# Altium PCB InsaneKeyboard.PcbDoc (part 3 of 4) (continued)
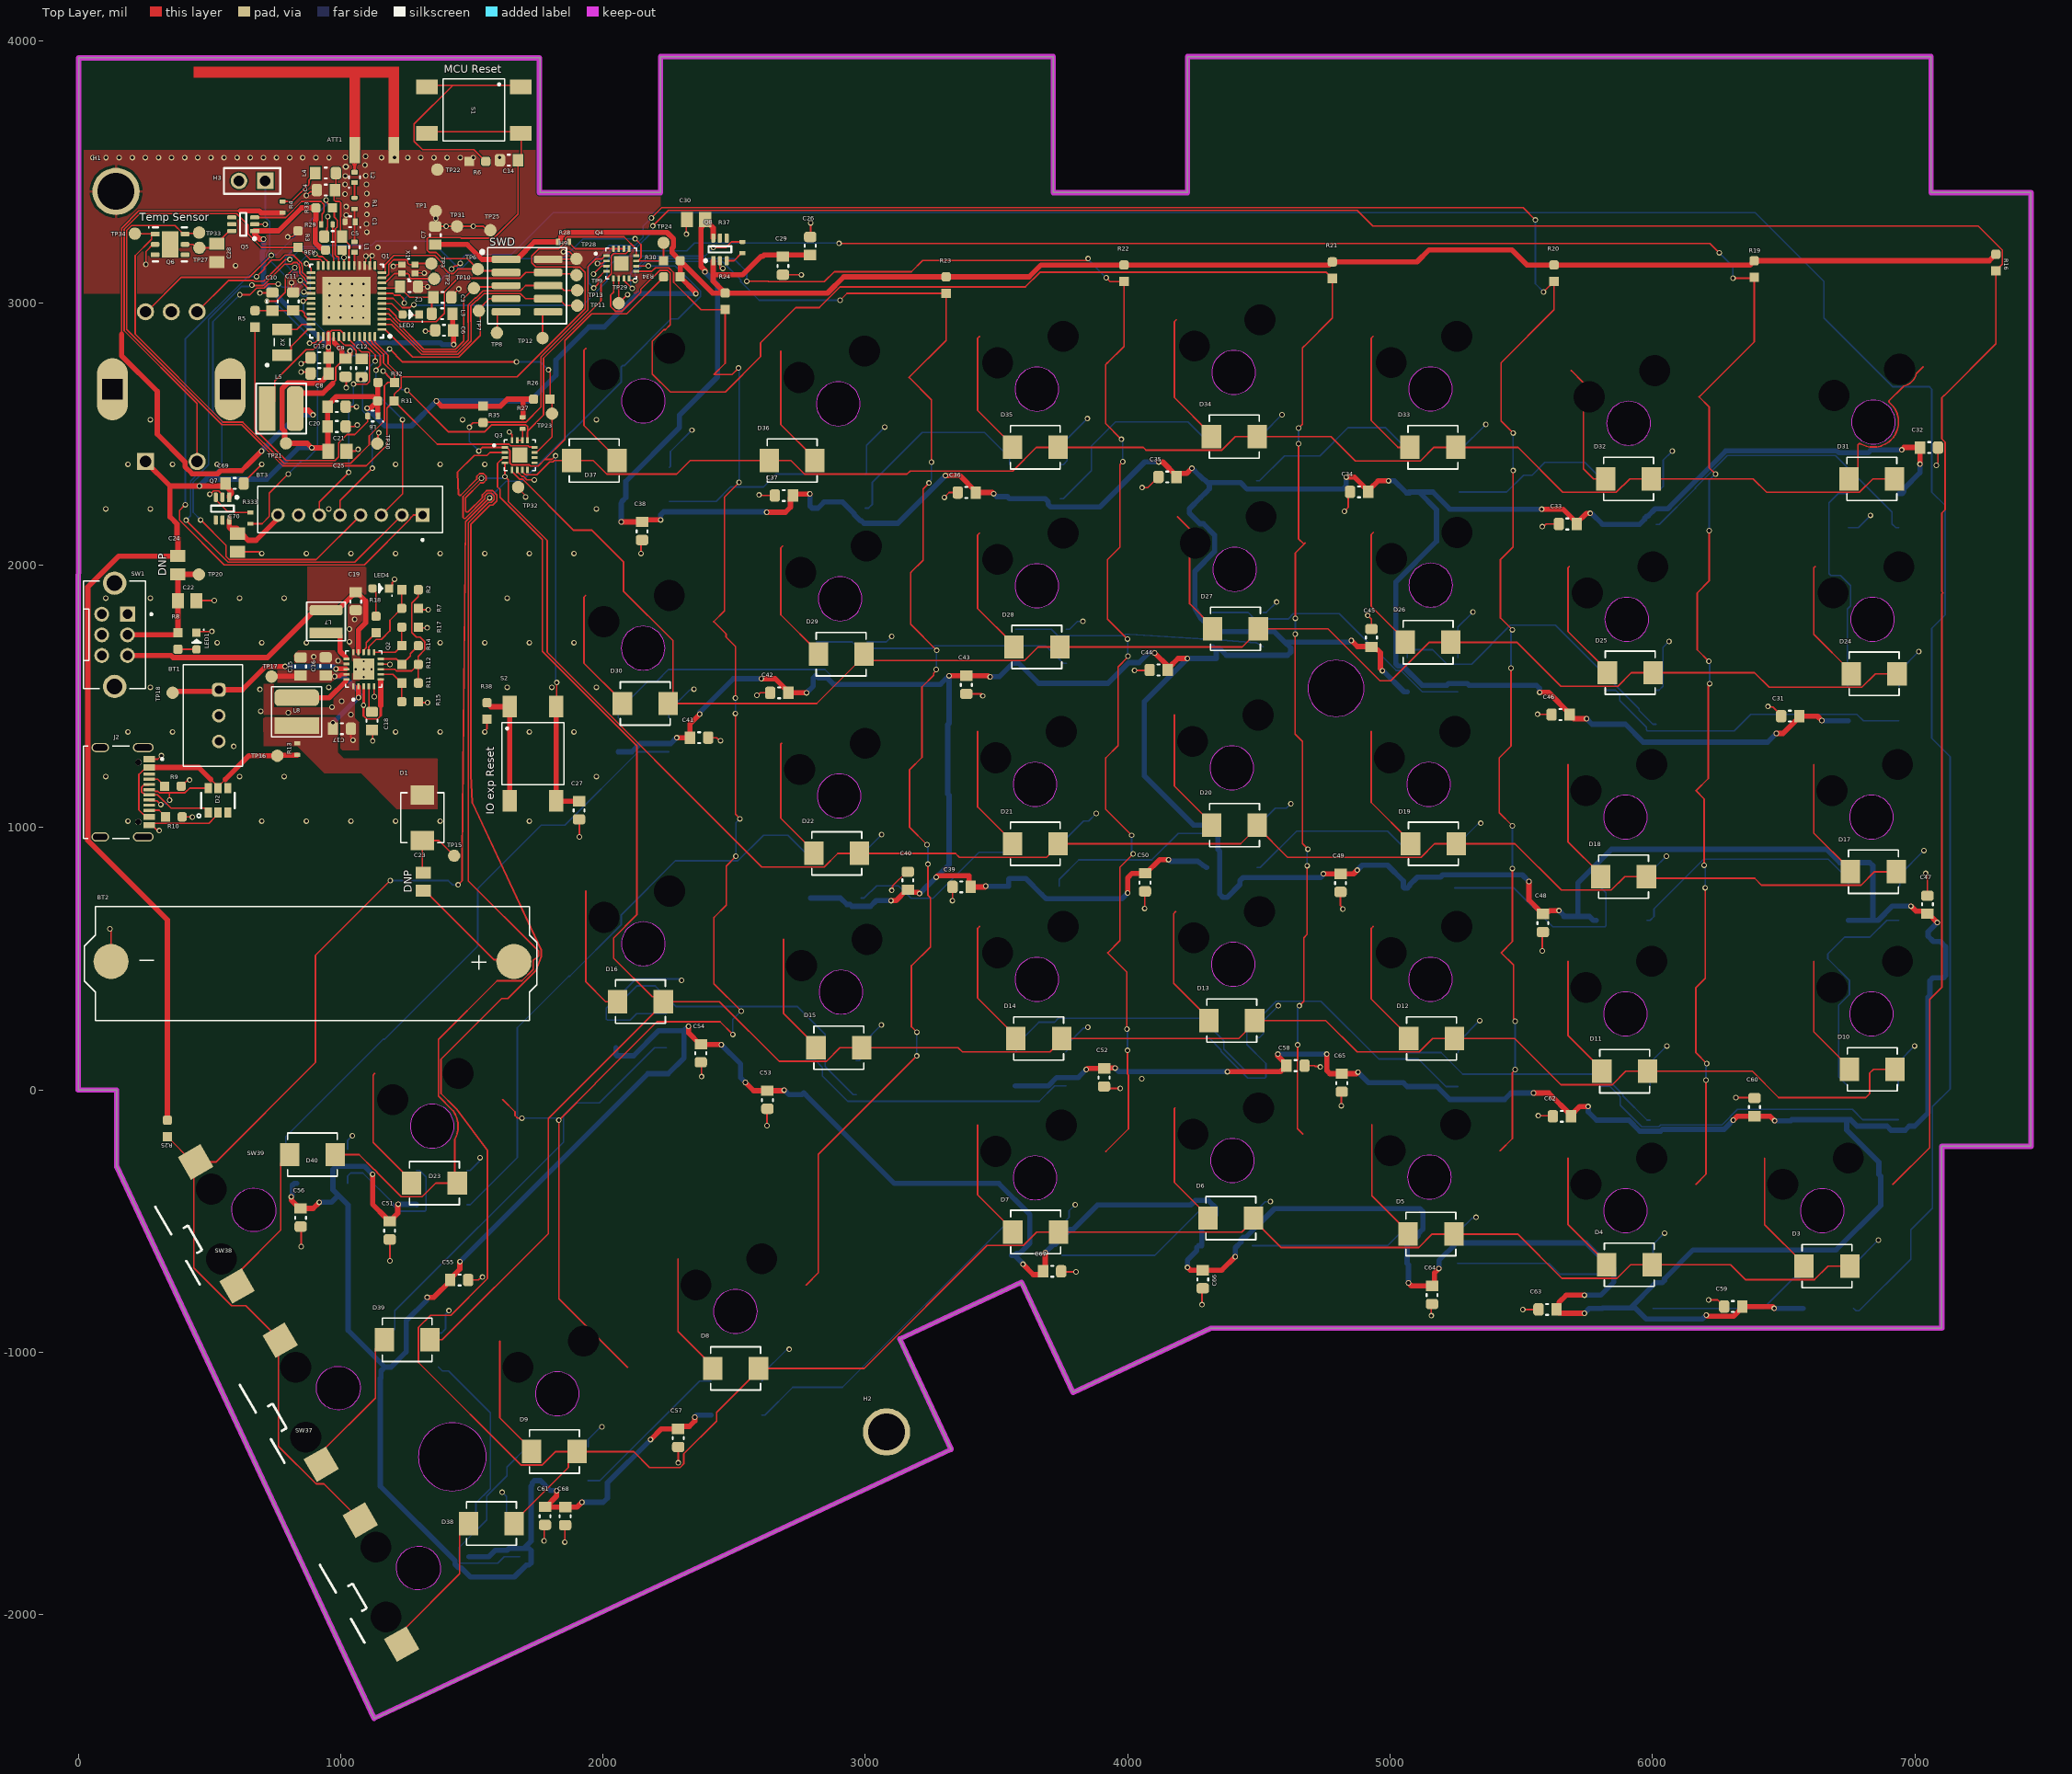
[diagram p0: Top Layer view]
## Nets (pads, with @x,y where several pads share a name; then routed paths per layer and width w, separated by ;. In a path a pad name is that pad's centre, name@x,y a point inside that pad or via, vN(x,y) a via of type N, cw(c..) or ccw(c..) an arc to the next point about the centre after c; other vN are vias at no path point) (continued)
NetD33_2: D33.2 SW32.1 | length 514.6
  Top Layer w6: 4935.05,2872.89 4927.98,2865.82 4927.98,2551.6 5030.05,2449.53 D33.2@5076.05,2449.53
NetD34_2: D34.2 SW33.1 | length 506.8
  Top Layer w6: 4185.06,2936 4177.97,2928.91 4177.97,2639.1 4319.05,2498.03 D34.2@4319.05,2490.53
NetD35_2: D35.2 SW34.1 | length 480.5
  Top Layer w6: 3435.06,2872 3427.97,2864.9 3427.97,2590.11 3561.05,2457.03 D35.2@3561.05,2449.53
NetD36_2: D36.2 SW35.1 | length 470.8
  Top Layer w6: 2677.96,2815.96 2677.96,2536.54 2808,2406.5 D36.2@2808,2399
NetD37_2: D37.2 SW36.1 | length 483.2
  Top Layer w6: 1935.06,2827 1927.96,2819.89 1927.96,2532.54 2054,2406.5 D37.2@2054,2399
NetD38_2: D38.2 SW37.1 | length 565.7
  Top Layer w6: SW37.1@1232.47,-2111.86 1232.47,-2065.54 1454,-1844.01 1454,-1686 D38.2@1488,-1652
NetD39_2: D39.2 SW38.1 | length 573.4
  Top Layer w6: SW38.1@927,-1426 927,-1379.69 1133,-1173.69 1133,-986 D39.2@1167,-952
NetD40_2: D40.2 SW39.1 | length 584.3
  Top Layer w6: SW39.1@605,-747 605,-700.69 772,-533.69 772,-280 D40.2@806,-246
NetJ2_A5: J2.A5 R9.1 | length 69.4
  Top Layer w6: J2.A5@271,1184.37 303.28,1184.37 R9.1@329.5,1158.16
NetJ2_B5: J2.B5 R10.1 | length 72.9
  Top Layer w6: J2.B5@271,1066.26 308.39,1066.26 R10.1@333.5,1041.16
NetL1_1: L1.1 Q1.17 | length 54.7
  Top Layer w6: Q1.17@1052.29,3142.34 1053.3,3143.35 L1.1@1053.3,3193.31 ; L1.1@1053,3193.31 L1.1@1053.3,3193.31 ; L1.1@1056.35,3193.31 L1.1@1053.3,3193.31
NetL2_1: L2.1 R1.2 | length 58
  Top Layer w6: R1.2@1053,3400.65 1053,3458.25 L2.1@1053.32,3458.57
NetL5_1: L5.1 Q1.38 | length 379
  Top Layer w6: L5.1@721,2597 749.5,2625.5 749.5,2702.39 868.73,2821.62 895.75,2821.62 932.06,2857.94 932.06,2869.75 Q1.38@934.18,2871.87
NetL6_2: L6.2 R5.1 | length 982.8
  Top Layer w6: R5.1@674,2907.5 674,2517.96 792.89,2399.06 979.09,2399.06 992.81,2412.79 992.81,2466.84 1024.35,2498.38 1054.29,2498.38 1103.32,2547.4 L6.2@1103.32,2569
NetL7_1: L7.1 Q2.16 | length 150.7
  Top Layer w20: L7.1@945,1742.39 988.31,1742.39 997.99,1732.7 997.99,1671.88 1021.23,1648.65
NetL8_2: L8.2 Q2.20 | length 214.8
  Top Layer w20: L8.2@833,1495.3 957.17,1495.3 1021.23,1559.35
NetLED1_A: LED1.A R8.2 | length 71.2
  Top Layer w6: R8.2@380,1680 380.25,1679.75 450.75,1679.75 LED1.A@451,1679.5
NetLED4_A: LED4.A R18.2 | length 112.1
  Top Layer w6: LED4.A@1121.5,1912 1121.5,1909.36 1135,1895.87 R18.2@1135,1805.5
NetLED5_2-DOUT: LED5.2-DOUT LED6.4-DIN | length 569.1
  Bottom Layer w6: LED6.4-DIN@5257.46,-660.96 5606.07,-660.96 5647.15,-702.04 LED5.2-DOUT@5809.54,-702.04
NetLED5_4-DIN: LED5.4-DIN LED.2-DOUT | length 624.9
  Bottom Layer w6: LED5.4-DIN@6002.46,-831.96 6422.09,-831.96 6537.3,-716.76 6558.83,-716.76 LED.2-DOUT@6573.54,-702.04
NetLED6_2-DOUT: LED6.2-DOUT LED7.4-DIN | length 614.7
  Bottom Layer w6: LED7.4-DIN@4475.46,-592.96 4990.81,-592.96 5052.73,-531.04 LED6.2-DOUT@5064.54,-531.04
NetLED7_2-DOUT: LED7.2-DOUT LED8.4-DIN | length 601.2
  Bottom Layer w6: LED8.4-DIN@3750.46,-629.96 4103.81,-629.96 4270.73,-463.04 LED7.2-DOUT@4282.54,-463.04
NetLED8_2-DOUT: LED8.2-DOUT LED9.4-DIN | length 1258.2
  Bottom Layer w6: LED9.4-DIN@2605.46,-1238.96 2617.27,-1238.96 2723.27,-1132.96 2912.81,-1132.96 3545.73,-500.04 LED8.2-DOUT@3557.54,-500.04
NetLED9_2-DOUT: LED9.2-DOUT LED10.4-DIN | length 626.5
  Bottom Layer w6: LED10.4-DIN@1943.46,-1488.96 1988.04,-1488.96 2367.96,-1109.04 LED9.2-DOUT@2412.54,-1109.04
NetLED10_2-DOUT: LED10.2-DOUT LED11.4-DIN | length 827.7
  Bottom Layer w6: LED11.4-DIN@1682.46,-1778.96 1623.82,-1778.96 1599.1,-1803.68 1467.02,-1803.68 1457.12,-1803.68 1453.02,-1799.58 1453.02,-1789.68 1453.02,-1742.71 1557.22,-1638.5 1557.22,-1547.31 1634.62,-1469.92 1634.62,-1436.44 1712.02,-1359.04 LED10.2-DOUT@1750.54,-1359.04
NetLED11_2-DOUT: LED11.2-DOUT LED19.4-DIN | length 729.5
  Bottom Layer w6: LED19.4-DIN@1373.46,-1055.96 1388.17,-1070.68 1411.98,-1070.68 1571,-1229.69 1571,-1519.39 1516.07,-1574.32 1516.07,-1634.32 1501.35,-1649.04 LED11.2-DOUT@1489.54,-1649.04
NetLED12_2-DOUT: LED12.2-DOUT LED20.4-DIN | length 890.5
  Bottom Layer w6: LED12.2-DOUT@6743.54,16.96 6710,50.5 6710,323.2 6750.48,363.68 6750.48,418.4 6668.37,500.51 6668.37,518.4 6732.69,582.72 6829.28,582.72 6893.6,647.04 LED20.4-DIN@6939.46,647.04
NetLED12_4-DIN: LED12.4-DIN LED13.2-DOUT | length 1264.5
  Bottom Layer w6: LED13.2-DOUT@5798.54,14.96 5837.07,14.96 5877.54,-25.51 5877.54,-58.19 5959.03,-139.68 6023.88,-139.68 6030.88,-132.68 6265.57,-132.68 6324.25,-74 6761.73,-74 6800.69,-112.96 LED12.4-DIN@6936.46,-112.96
NetLED13_4-DIN: LED13.4-DIN LED14.2-DOUT | length 1036.2
  Bottom Layer w6: LED14.2-DOUT@5065.54,142.96 5194.39,142.96 5276.85,60.5 5810.15,60.5 5887.54,-16.89 5887.54,-22.85 5979.65,-114.96 LED13.4-DIN@5991.46,-114.96
NetLED14_4-DIN: LED14.4-DIN LED15.2-DOUT | length 1491.3
  Bottom Layer w6: LED15.2-DOUT@4297.54,199.96 4309.35,199.96 4356.45,152.87 4356.45,146.9 4458.03,45.32 4522.88,45.32 4526.98,49.42 4526.98,101.02 4453.93,174.08 4453.93,225.68 4566.75,338.5 4736.61,338.5 4956.87,118.24 5107.39,118.24 5212.6,13.04 LED14.4-DIN@5258.46,13.04
NetLED15_4-DIN: LED15.4-DIN LED16.2-DOUT | length 1088.6
  Bottom Layer w6: LED16.2-DOUT@3571.54,145.96 3575.54,149.96 3575.54,172.68 3661.13,258.26 3720.62,258.26 3736.03,273.68 4280.97,273.68 4366.45,188.2 4366.45,155.52 4451.93,70.04 LED15.4-DIN@4490.46,70.04
NetLED16_4-DIN: LED16.4-DIN LED17.2-DOUT | length 1099.4
  Bottom Layer w6: LED17.2-DOUT@2772.54,111.96 2811.07,111.96 2836.83,86.2 2836.83,53.52 2933.03,-42.68 3662.74,-42.68 3721.46,16.04 LED16.4-DIN@3764.46,16.04
NetLED17_4-DIN: LED17.4-DIN LED18.2-DOUT | length 1219.2
  Bottom Layer w6: LED18.2-DOUT@2049.54,290.96 2049.54,317.68 2128.61,396.74 2199.53,396.74 2277.77,318.5 2740.15,318.5 2846.83,211.82 2846.83,88.85 2953.65,-17.96 LED17.4-DIN@2965.46,-17.96
NetLED18_4-DIN: LED18.4-DIN LED19.2-DOUT | length 1613.4
  Bottom Layer w6: LED19.2-DOUT@1180.54,-926.04 1192.35,-926.04 1207.07,-911.32 1207.07,-841.32 1849.5,-198.89 1849.5,-96.11 1896.36,-49.25 1986.75,-49.25 2197.04,161.04 LED18.4-DIN@2242.46,161.04
NetLED20_2-DOUT: LED20.2-DOUT LED21.4-DIN | length 938.9
  Bottom Layer w6: LED21.4-DIN@5979.46,647.04 5991.27,647.04 6005.98,661.76 6005.98,690.73 6195.21,879.96 6670.26,879.96 6746.54,803.68 LED20.2-DOUT@6746.54,776.96
NetLED21_2-DOUT: LED21.2-DOUT LED22.4-DIN | length 811.1
  Bottom Layer w6: LED22.4-DIN@5247.46,770.04 5472.62,770.04 5620.34,622.32 5818.97,622.32 5823.07,626.42 5823.07,752.24 5798.35,776.96 LED21.2-DOUT@5786.54,776.96
NetLED22_2-DOUT: LED22.2-DOUT LED23.4-DIN | length 668
  Bottom Layer w6: LED23.4-DIN@4493.46,848.04 4505.27,848.04 4644.19,986.96 4990.26,986.96 5050.54,926.68 5050.54,903.96 LED22.2-DOUT@5054.54,899.96
NetLED23_2-DOUT: LED23.2-DOUT LED24.4-DIN | length 660.8
  Bottom Layer w6: LED24.4-DIN@3739,776 3739,802.72 3813.36,877.08 4091.85,877.08 4192.73,977.96 LED23.2-DOUT@4300.54,977.96
NetLED24_2-DOUT: LED24.2-DOUT LED25.4-DIN | length 673
  Bottom Layer w6: LED25.4-DIN@2984.46,732.04 2996.27,732.04 3042.73,778.5 3126.71,778.5 3174.21,731 3258.19,731 3433.11,905.92 LED24.2-DOUT@3546.09,905.92
NetLED25_2-DOUT: LED25.2-DOUT LED26.4-DIN | length 2262.4
  Bottom Layer w6: LED26.4-DIN@1482.46,-436.96 1494.27,-436.96 1673.5,-257.73 1673.5,237.5 1870.07,434.07 1873.49,434.07 2070.06,630.64 2070.06,667.47 2276.08,873.5 2514.25,873.5 2611.71,970.96 2705.26,970.96 2787.54,888.68 2787.54,865.96 LED25.2-DOUT@2791.54,861.96
NetLED26_2-DOUT: LED26.2-DOUT LED27.4-DIN | length 570.6
  Bottom Layer w6: LED27.4-DIN@1026.66,-355.2 1026.66,-328.49 1038.85,-316.3 1084.96,-316.3 1202.5,-433.84 1202.5,-442.25 1212.75,-452.5 1221.16,-452.5 1230.34,-461.68 1321.97,-461.68 1326.07,-457.58 1326.07,-331.76 1301.35,-307.04 LED26.2-DOUT@1289.54,-307.04
NetLED27_2-DOUT: LED27.2-DOUT LED34.4-DIN | length 2283.4
  Bottom Layer w6: LED27.2-DOUT@833.74,-225.28 795.22,-225.28 791.7,-221.77 791.7,-177.69 1163.11,193.71 1168.46,193.71 1523.19,548.44 1523.19,767.94 1764.76,1009.51 1855.08,1009.51 2134.61,1289.04 LED34.4-DIN@2251.46,1289.04
NetLED28_2-DOUT: LED28.2-DOUT LED35.4-DIN | length 850.7
  Bottom Layer w6: LED28.2-DOUT@6746.54,1536.96 6743.45,1540.05 6743.45,1833.79 6755.06,1845.39 6755.06,1922.36 6716.36,1961.06 6679.53,1961.06 6672.94,1967.64 6672.94,2237.89 6708.02,2272.96 LED35.4-DIN@6746.54,2272.96
NetLED28_4-DIN: LED28.4-DIN LED29.2-DOUT | length 1238.2
  Bottom Layer w6: LED29.2-DOUT@5820.54,1523.96 5859.07,1523.96 5875.52,1507.51 5875.52,1484.73 5976.93,1383.32 5976.93,1373.42 5981.03,1369.32 6312.24,1369.32 6374.68,1431.76 6778.97,1431.76 6803.69,1407.04 LED28.4-DIN@6939.46,1407.04
NetLED29_4-DIN: LED29.4-DIN LED30.2-DOUT | length 1220.1
  Bottom Layer w6: LED30.2-DOUT@5065.54,1647.96 5065.54,1674.68 5069.06,1678.19 5162.3,1678.19 5217.25,1623.24 5310.5,1623.24 5458.75,1771.5 5630.15,1771.5 5948.97,1452.68 5948.97,1446.71 6001.65,1394.04 LED29.4-DIN@6013.46,1394.04
NetLED30_4-DIN: LED30.4-DIN LED31.2-DOUT | length 1076.8
  Bottom Layer w6: LED31.2-DOUT@4323.54,1819.96 4459.31,1819.96 4484.03,1795.24 4611.5,1795.24 4631.75,1815.5 4806.92,1815.5 5023.18,1599.24 5041.48,1599.24 5122.69,1518.04 LED30.4-DIN@5258.46,1518.04
NetLED31_4-DIN: LED31.4-DIN LED32.2-DOUT | length 960.2
  Bottom Layer w6: LED32.2-DOUT@3573.54,1755.96 3709.31,1755.96 3734.03,1731.24 3986.5,1731.24 3991.75,1736.5 4006.25,1736.5 4355.97,1714.76 4489.93,1704.76 LED31.4-DIN@4516.46,1690.04
NetLED32_4-DIN: LED32.4-DIN LED33.2-DOUT | length 995.3
  Bottom Layer w6: LED33.2-DOUT@2813.54,1707.96 2949.31,1707.96 2974.03,1683.24 3254.5,1683.24 3264.75,1693.5 3687.19,1693.5 3754.65,1626.04 LED32.4-DIN@3766.46,1626.04
NetLED33_4-DIN: LED33.4-DIN LED34.2-DOUT | length 1049.9
  Bottom Layer w6: LED34.2-DOUT@2058.54,1418.96 2058.54,1445.68 2169.72,1556.86 2204.07,1556.86 2249.97,1602.76 2845.97,1602.76 2870.69,1578.04 LED33.4-DIN@3006.46,1578.04
NetLED35_2-DOUT: LED35.2-DOUT LED36.4-DIN | length 1176
  Bottom Layer w6: LED36.4-DIN@6014.46,2156.04 6026.27,2156.04 6163.52,2293.29 6163.52,2296.15 6286.05,2418.68 6696.97,2418.68 6912.93,2202.72 6912.93,2157.76 6927.65,2143.04 LED35.2-DOUT@6939.46,2143.04
NetLED36_2-DOUT: LED36.2-DOUT LED37.4-DIN | length 663.4
  Bottom Layer w6: LED37.4-DIN@5264.46,2279.04 5444.71,2279.04 5509.18,2343.5 5541.68,2343.5 5590.14,2391.96 5742.26,2391.96 5821.54,2312.68 LED36.2-DOUT@5821.54,2285.96
NetLED37_2-DOUT: LED37.2-DOUT LED38.4-DIN | length 728.8
  Bottom Layer w6: LED38.4-DIN@4490.46,2322.04 4502.27,2322.04 4597.27,2417.04 4732.54,2417.04 4840.46,2524.96 4982.26,2524.96 5071.54,2435.68 LED37.2-DOUT@5071.54,2408.96
NetLED38_2-DOUT: LED38.2-DOUT LED39.4-DIN | length 786.3
  Bottom Layer w6: LED39.4-DIN@3742.46,2254.04 3754.27,2254.04 3861.28,2361.05 3861.28,2454.67 3953.57,2546.96 4229.26,2546.96 4297.54,2478.68 LED38.2-DOUT@4297.54,2451.96
NetLED39_2-DOUT: LED39.2-DOUT LED40.4-DIN | length 783.6
  Bottom Layer w6: LED40.4-DIN@3000.46,2218.04 3012.27,2218.04 3026.98,2232.76 3026.98,2316.54 3216.41,2505.96 3454.26,2505.96 3549.54,2410.68 LED39.2-DOUT@3549.54,2383.96
NetLED40_2-DOUT: LED40.2-DOUT LED41.4-DIN | length 597.5
  Bottom Layer w6: LED41.4-DIN@2253.46,2243.04 2431.06,2243.04 2486.52,2298.5 2611.91,2298.5 2661.37,2347.96 LED40.2-DOUT@2807.54,2347.96
NetQ2_7: Q2.7 R11.1 R15.2 | length 165.4
  Top Layer w6: Q2.7@1152.96,1584.31 1200.17,1584.31 R11.1@1233.4,1551.08 R15.2@1233.4,1479.91
NetQ2_8: Q2.8 R2.2 R11.2 R12.2 | length 561.5
  Top Layer w6: Q2.8@1152.96,1604 1206.31,1604 1212.79,1597.53 1271.68,1597.53 R12.2@1296.39,1622.25 ; R11.2@1296.39,1551.08 R12.2@1296.39,1622.25 ; R2.2@1296.39,1906.91 1295.51,1906.03 1295.51,1880.19 1271.68,1856.36 1271.68,1743.96 1289.24,1726.4 1303.55,1726.4 1321.11,1708.84 1321.11,1677.98 1296.39,1653.27 R12.2@1296.39,1622.25
NetQ2_10: Q2.10 R12.1 R14.2 | length 186.5
  Top Layer w6: Q2.10@1152.96,1643.37 1212.28,1643.37 R12.1@1233.4,1622.25 1265.91,1654.76 1265.91,1662.93 R14.2@1296.39,1693.41
NetQ2_11: Q2.11 R14.1 R17.2 | length 187.3
  Top Layer w6: Q2.11@1127.37,1668.96 1208.95,1668.96 R14.1@1233.4,1693.41 R17.2@1233.4,1764.58
NetQ2_12: Q2.12 R2.1 R7.2 | length 301.7
  Top Layer w6: Q2.12@1107.68,1668.96 1107.68,1689.77 1135.7,1717.79 1155.62,1717.79 1188.17,1750.34 1188.17,1790.51 R7.2@1233.4,1835.74 R2.1@1233.4,1906.91
NetQ3_14: Q3.14 Q3.15 R27.2 | length 63.7
  Top Layer w6: Q3.15@1673.16,2476.5 Q3.14@1692.84,2476.5 1693.42,2477.08 1693.42,2519.42 R27.2@1694,2520
NetQ4_14: Q4.14 Q4.15 Q4.16 R28.2 | length 221.5
  Top Layer w6: R28.2@1871.65,3233 1871.65,3229.06 1894.22,3206.5 Q4.14@2079.84,3206.5
NetQ5_3: Q5.3 R29.1 | length 375.6
  Top Layer w6: Q5.3@672.31,3325.59 790.83,3325.59 851.95,3386.72 925.53,3386.72 937.22,3375.03 937.22,3346.57 929.35,3338.7 929.35,3302.91 929.35,3302 R29.1@926.35,3299
NetQ7_3: Q7.3 R333.1 | length 161.2
  Top Layer w6: Q7.3@524.41,2259.31 524.41,2249.46 568.09,2205.79 593.96,2205.79 598.09,2201.65 R333.1@656,2201.65
NetQ8_3: Q8.3 R37.1 | length 72.3
  Top Layer w6: Q8.3@2471.59,3160.69 2499.41,3160.69 2528.06,3189.35 R37.1@2532,3189.35
NetR6_2: R6.2 S1.1 S1.2 | length 942.9
  Top Layer w6: S1.2@1328.87,3823.58 1334.87,3829.58 1428.23,3829.58 ; R6.2@1553.5,3539 1508.67,3583.82 1312.66,3583.82 1280.53,3615.96 1280.53,3681.88 1428.23,3829.58 ; S1.1@1687.13,3823.58 1681.13,3829.58 1428.23,3829.58
NetR38_2: R38.2 S2.1 S2.2 | length 450.8
  Top Layer w20: R38.2@1558,1476 1572.87,1461.13 S2.1@1644.42,1461.13 S2.2@1644.42,1102.87
PAVDD: L4.1 R4.2 | length 180.6
  Top Layer w6: R4.2@779,3386.65 814.22,3386.65 878.46,3450.89 878.46,3454.89 879.46,3455.89 879.46,3466.89 903.63,3491.06 L4.1@903.63,3495
PTI_DATA: H9.10 TP12.1 | length 114.5
  Top Layer w6: TP12.1@1770,2866 1770,2954.82 1781.18,2966 H9.10@1791,2966
PTI_FRAME: H9.9 TP8.1 | length 107.9
  Top Layer w6: TP8.1@1596,2886 1597,2887 1597,2954.82 1608.18,2966 H9.9@1631,2966
RADIO_PA0: H3.1 Q1.25 | length 757.8
  Top Layer w6: v2(869.88,3149.91) 887.53,3132.26 Q1.25@887.53,3115.37
  Bottom Layer w6: H3.1@713,3465 713,3326.63 730,3309.63 730,3199.75 718.5,3188.25 718.5,3173.75 788.6,3103.65 853.61,3103.65 863.86,3093.4 863.86,3078.9 843.13,3058.17 843.13,3034.93 853.38,3024.68 868.68,3024.68 883.86,3039.86 883.86,3136.14 870.09,3149.91 v2(869.88,3149.91)
RADIO_PA1: BT3.1 Q1.26 | length 2448.2
  Top Layer w6: v2(408,2231) 386,2209 386,2172.25 556.73,2001.52 1090.34,2001.52 1266.6,2177.78 1266.6,2180.1 1277.84,2191.35 BT3.1@1312.59,2191.35 ; v2(679.87,3100.13) 710.12,3130.37 710.12,3136.12 737.5,3163.5 769.4,3163.5 788.65,3182.75 819.14,3182.75 852.38,3149.51 852.38,3142.66 854.5,3140.54 854.5,3116.9 873.6,3097.8 885.41,3097.8 Q1.26@887.53,3095.69
  Bottom Layer w6: v2(408,2231) 408,2861.89 649.11,3103 657.37,3103 660.25,3100.13 v2(679.87,3100.13)
RADIO_PA2: BT3.2 Q1.27 | length 2302.9
  Top Layer w6: v2(411,2172) 571.48,2011.52 1054.02,2011.52 BT3.2@1233.85,2191.35 ; v2(661.69,3067.69) 663.24,3066.13 705.1,3066.13 786.72,3147.75 814,3147.75 819.75,3153.5 834.25,3153.5 842.38,3145.37 842.38,3138.52 844.5,3136.4 844.5,3112.76 863.6,3093.66 863.6,3089.17 863.86,3088.9 863.86,3087.86 873.6,3078.12 875.72,3076 Q1.27@887.53,3076
  Bottom Layer w6: v2(411,2172) 428.06,2189.06 428.06,2320.95 460.61,2353.5 467.35,2353.5 497,2383.15 497,2936.75 623.19,3062.94 652.88,3062.94 657.63,3067.69 v2(661.69,3067.69)
RADIO_PA3: BT3.4 Q1.28 | length 2085
  Top Layer w6: v2(467,2173) 563.87,2076.13 563.87,2033.81 576.16,2021.52 906.54,2021.52 BT3.4@1076.37,2191.35 ; v2(616,3031) 654.6,3031 679.73,3056.13 709.24,3056.13 725.18,3072.07 v2(762.37,3072.07) ; v2(846.36,3086.15) 846.36,3085.67 873.6,3058.43 885.41,3058.43 Q1.28@887.53,3056.31
  Bottom Layer w6: v2(467,2173) 438.06,2201.94 438.06,2316.81 464.75,2343.5 479.49,2343.5 480.99,2345 514.75,2345 547.5,2377.75 547.5,2550.44 513.35,2584.58 513.35,2928.35 v2(616,3031) ; v2(762.37,3072.07) 765.82,3072.07 777.88,3060 820.75,3060 846.36,3085.61 v2(846.36,3086.15)
RADIO_PA4: Q1.29 Q4.11 R30.1 TP24.1 | length 1942.6
  Top Layer w6: v1(860.63,3042.18) 864.69,3042.18 868.12,3038.75 885.41,3038.75 Q1.29@887.53,3036.63 ; v1(2123,3244.31) 2145.31,3222 2145.31,3171.96 Q4.11@2133.19,3159.84 ; Q4.11@2126.5,3159.84 Q4.11@2133.19,3159.84 ; TP24.1@2231,3229 2231,3161.5 R30.1@2231.5,3161 2230.35,3159.84 Q4.11@2133.19,3159.84
  Bottom Layer w6: v1(860.63,3042.18) 860.63,3044.94 868.88,3053.19 868.88,3069.77 873.86,3074.76 873.86,3097.54 857.75,3113.65 853.1,3113.65 848.25,3118.5 834.17,3118.5 832.61,3116.94 818.11,3116.94 807.86,3127.19 807.86,3130.39 789.25,3149 789.25,3172.5 831.49,3214.74 903.1,3214.74 907.86,3219.5 1118.25,3219.5 1133.75,3235 1347.25,3235 1448.75,3133.5 1463.25,3133.5 1498.25,3168.5 1848.25,3168.5 1924.06,3244.31 v1(2123,3244.31)
RADIO_PA5: Q1.30 Q3.11 R26.1 TP23.1 | length 1471.8
  Top Layer w6: v1(857.77,3007.18) 860.64,3010.05 868.82,3010.05 875.72,3016.94 Q1.30@887.53,3016.94 ; v1(1187,2825) 1237,2775 v1(1671,2775) ; Q3.11@1739.5,2429.84 1746.19,2429.84 1806,2489.65 1806,2625.5 R26.1@1798.5,2633 1798.5,2734.44 1792,2740.94 v1(1792,2745)
  Bottom Layer w6: v1(857.77,3007.18) 858.74,3006.2 858.74,2969.58 1028.97,2799.34 1161.34,2799.34 v1(1187,2825) ; v1(1671,2775) 1762,2775 v1(1792,2745)
RADIO_PB11: Q1.31
RADIO_PB12: Q1.32
RADIO_PB13: Q1.33
RADIO_PB14: Q1.35 X2.2 | length 118.5
  Top Layer w6: X2.2@777,2899.21 832.85,2899.21 852.15,2918.52 Q1.35@887.53,2918.52
RADIO_PB15: Q1.36 X2.1 | length 160
  Top Layer w6: X2.1@777,2800.79 792.75,2800.79 811.4,2819.44 811.4,2834.52 873.6,2896.72 875.72,2898.83 Q1.36@887.53,2898.83
RADIO_PC6: BT3.6 Q1.43 | length 826.4
  Top Layer w6: BT3.6@918.89,2191.35 918.89,2241.89 v2(1031,2354) ; Q1.43@1032.61,2860.05 1034.72,2857.94 1079.53,2813.13 1106.52,2813.13 1110.62,2809.03 1110.62,2700.73 1100.42,2690.53 v2(1048.97,2690.53)
  Bottom Layer w6: v2(1031,2354) 1031,2598.87 1048.97,2616.84 v2(1048.97,2690.53)
RADIO_PC7: Q1.44
RADIO_PC8: BT3.5 Q1.45 | length 781.4
  Top Layer w6: BT3.5@997.63,2191.35 997.63,2246.63 v2(1121,2370) ; Q1.45@1071.98,2860.05 1074.09,2857.94 1108.9,2823.13 1110.66,2823.13 1132.12,2801.67 v2(1132.12,2778.23)
  Bottom Layer w6: v2(1121,2370) 1121,2551.77 1083.5,2589.27 1083.5,2690.62 1094,2701.12 1094,2740.11 v2(1132.12,2778.23)
RADIO_PC9: BT3.3 Q1.46 | length 775.8
  Top Layer w6: Q1.46@1091.66,2860.05 1151.62,2800.09 1151.62,2762.44 1135,2745.82 v2(1135,2743) ; BT3.3@1155.11,2191.35 1236,2272.24 v2(1236,2555)
  Bottom Layer w6: v2(1135,2743) 1135,2656 v2(1236,2555)
RADIO_PC10: Q1.47 Q3.13 Q4.13 Q6.1 R32.1 TP34.1 | length 3762.3
  Top Layer w6: TP34.1@216,3264 216.82,3263.19 292.1,3263.19 Q6.1@292.91,3262.37 ; Q6.1@285.04,3262.37 279.18,3256.51 279.18,3242.16 217.09,3180.08 217.09,2880.84 552.05,2545.89 627.14,2545.89 783.97,2389.06 1038.81,2389.06 1109.38,2459.63 1109.38,2493.13 1167.22,2550.97 1167.22,2684 1180.22,2697 R32.1@1205.5,2697 ; Q1.47@1111.35,2860.05 1113.46,2857.94 1121.16,2850.24 1121.16,2846.58 1163.62,2804.12 1163.62,2771.48 1205.5,2729.6 R32.1@1205.5,2697 ; v1(1162.5,2740.5) 1190.78,2711.72 R32.1@1205.5,2697 ; v1(1253.5,2666.5) 1411.5,2508.5 1548.14,2508.5 1574.51,2534.87 1706.4,2534.87 1712.81,2528.47 1712.81,2511.5 ; Q3.13@1712.53,2476.5 1712.53,2506.75 1712.81,2507.03 1712.81,2511.5 ; Q4.13@2099.53,3206.5 2099.53,3199.8 2087.41,3187.68 2040.7,3187.68 2032.32,3179.3 2032.32,3111.43 1992.5,3071.61 1992.5,3007.89 1773.78,2789.17 1773.78,2572.47 1712.81,2511.5
  Bottom Layer w6: v1(1162.5,2740.5) 1234,2669 1251,2669 v1(1253.5,2666.5)
RADIO_PC11: Q1.48 Q3.12 Q4.12 Q6.6 R31.1 TP33.1 | length 4675.4
  Top Layer w6: TP33.1@461,3268 458.18,3265.19 397.17,3265.19 394.24,3268.12 394.24,3269.37 368.99,3294.62 203.32,3294.62 185.38,3276.68 185.38,2898.42 547.91,2535.89 623,2535.89 779.82,2379.06 1098.37,2379.06 1177.22,2457.91 1177.22,2598.72 R31.1@1204.5,2626 ; Q1.48@1131.03,2871.87 1131.16,2871.74 1131.16,2850.72 1181.12,2800.76 1181.12,2768.12 1231.21,2718.03 ; Q3.12@1739.5,2449.53 1737.72,2451.3 1718.68,2451.3 1714.44,2455.54 1648.35,2455.54 1642.24,2461.65 1368.85,2461.65 R31.1@1204.5,2626 ; Q4.12@2126.5,3179.53 2126.5,3205.61 2080.29,3251.81 1863.19,3251.81 1856.78,3245.4 1856.78,3231.85 1830.43,3205.5 1755.35,3205.5 1729,3179.15 1729,3152.85 1744.35,3137.5 1886.19,3137.5 1887.07,3136.62 1911.68,3136.62 1932.62,3115.68 1932.62,2977.32 1673.34,2718.03 1231.21,2718.03 ; R31.1@1204.5,2626 1204.5,2652.72 1216.83,2665.05 1218.88,2665.05 1231.21,2677.38 1231.21,2718.03
RADIO_PD10: MT1.B Q1.19 R36.1 | length 745.3
  Top Layer w6: MT1.B@453.42,2966.28 572.34,3085.19 668.93,3085.19 671.49,3082.63 707.45,3082.63 790.08,3165.25 v1(806.75,3165.25) ; R36.1@1005.72,3201.61 1006.32,3201 1012.5,3201 1013,3200.5 v1(1013,3173) v1(1013,3173) 1012.96,3142.38 Q1.19@1012.92,3142.34
  Bottom Layer w6: v1(806.75,3165.25) 846.24,3204.74 907.24,3204.74 910.13,3207.62 938.22,3207.62 976.84,3169 1004.94,3169 1008.94,3173 v1(1013,3173)
RADIO_PD11: MT1.A Q1.20 R33.1 | length 1155.1
  Top Layer w6: MT1.A@256.57,2966.28 261.58,2966.28 393.31,3098 653,3098 v1(736,3181) ; v1(945,3392) 947.87,3389.13 947.87,3382.85 976.5,3354.22 976.5,3326.35 988.01,3314.83 988.01,3290.02 979.53,3281.54 979.53,3182.47 985.1,3176.89 989.72,3176.89 993.24,3173.38 Q1.20@993.24,3142.34
  Bottom Layer w6: v1(736,3181) 738.75,3183.75 755.5,3183.75 944.25,3372.5 944.25,3391.25 v1(945,3392)
RADIO_PD12: Q1.21 R29.2 | length 158.4
  Top Layer w6: R29.2@969.65,3299 969.53,3298.87 969.53,3178.32 973.55,3174.3 Q1.21@973.55,3142.34
RADIO_PD13: Q1.22 R333.2 | length 1456.6
  Top Layer w6: R333.2@656,2158.35 700.81,2158.35 728.66,2186.2 728.66,2275.44 v2(801.11,2347.89) ; v2(719.4,3006.24) 754.23,3006.24 789.38,3041.38 789.38,3098.38 v2(825.36,3134.44) v2(825.36,3134.44) ; v2(902.88,3187.24) 906.93,3187.24 917.77,3176.4 931.62,3176.4 953.87,3154.15 Q1.22@953.87,3142.34
  Bottom Layer w6: v2(719.4,3006.24) 747.1,3006.24 912.5,2840.83 912.5,2445.75 866.02,2399.27 852.49,2399.27 v2(801.11,2347.89) ; v2(825.36,3134.44) v2(825.36,3134.44) 878.24,3187.24 v2(902.88,3187.24) v2@905.49,3184.62
RADIO_PD14: MT1.2 Q1.23 R3.1 | length 1892.8
  Top Layer w6: MT1.2@453.42,2395.41 453.42,2616.23 175.38,2894.28 175.38,3280.83 235.02,3340.46 604,3340.46 647.59,3296.88 647.59,3263.16 699.25,3211.5 R3.1@838,3211.5 883.11,3166.4 921.93,3166.4 932.06,3156.27 932.06,3144.46 Q1.23@934.18,3142.34
RADIO_PD15: Q1.24
RADIO_PF0: H9.7 Q1.1 TP7.1 | length 663.6
  Top Layer w6: Q1.1@1169.81,2898.83 1171.93,2896.72 1274.7,2793.94 1450.73,2793.94 1533,2876.22 1533,2964 TP7.1@1527,2970 1527,2976 1567,3016 H9.7@1631,3016
RADIO_PF1: H9.8 Q1.2 TP11.1 | length 985.7
  Top Layer w6: Q1.2@1158,2918.52 1194.77,2918.52 1309.35,2803.94 1446.58,2803.94 1497.11,2854.47 1497.11,2928.99 1496.38,2929.73 1496.38,2987.68 1517.61,3008.91 1520.61,3008.91 1547.69,3036 1685.09,3036 1705.09,3016 1831.5,3016 1857.5,2990 TP11.1@1902,2990
RADIO_PF2: H9.6 Q1.3 TP13.1 | length 986.4
  Top Layer w6: Q1.3@1158,2938.2 1189.23,2938.2 1313.49,2813.94 1442.44,2813.94 1487.11,2858.61 1487.11,2924.85 1486.38,2925.59 1486.38,2991.83 1513.46,3018.91 1516.46,3018.91 1543.55,3046 1685.09,3046 1705.09,3066 1832.98,3066 1850.98,3048 TP13.1@1902,3048
RADIO_PF3: H9.5 Q1.4 TP10.1 | length 723.8
  Top Layer w6: Q1.4@1158,2957.89 1183.93,2957.89 1202.01,2939.81 1202.01,2939.56 1317.64,2823.94 1438.3,2823.94 1469.31,2854.96 1469.31,3017.04 1513.27,3061 1626,3061 H9.5@1631,3066
RADIO_PF4: H9.4 Q1.5 TP9.1 | length 894.7
  Top Layer w6: Q1.5@1158,2977.57 1183.93,2977.57 1212.01,2949.49 1212.01,2943.71 1227.34,2928.38 1364.45,2928.38 1395.76,2959.69 1395.76,3041.76 1448.51,3094.5 1684.65,3094.5 1706.15,3116 H9.4@1791,3116 1796,3111 1894,3111 TP9.1@1899,3106
RADIO_PF5: LED2.A Q1.6 | length 95.6
  Top Layer w6: Q1.6@1158,2997.26 1195.24,2997.26 LED2.A@1236.5,2956
RADIO_PF6: Q1.7 R37.2 | length 1523.1
  Top Layer w6: Q1.7@1158,3016.94 1200.41,3016.94 1235.41,2981.94 1263.89,2981.94 1274.94,2993 v2(1279,2993) ; v2(2421,3211) 2468.47,3211 2490.12,3232.65 R37.2@2532,3232.65
  Bottom Layer w6: v2(1279,2993) 1280.98,2991.02 1923.77,2991.02 2015.35,3082.6 2015.35,3132.35 2061.5,3178.5 2388.5,3178.5 v2(2421,3211)
RADIO_PF7: LED.4-DIN Q1.8 | length 10199.9
  Top Layer w6: Q1.8@1158,3036.63 1198.71,3036.63 1205.97,3029.38 1226.65,3029.38 1240.13,3015.89 1240.13,3002.31 v2(1243,2999.44) ; v2(1422.96,3128.96) 1435,3141 1443.02,3141 1453.02,3151 v2(1456,3151)
  Bottom Layer w6: v2(1243,2999.44) 1245.87,3002.31 1245.87,3016.87 1310,3081 1375,3081 v2(1422.96,3128.96) ; v2(1456,3151) 1458.29,3153.29 1458.29,3164.29 1478,3184 1651,3184 1810.5,3343.5 6391.74,3343.5 6653.19,3082.05 6653.19,2942.39 6914.64,2680.94 7054.3,2680.94 7064.5,2670.74 7064.5,2279.02 7115.13,2228.38 7115.13,1810.1 7064.5,1759.47 7064.5,1341.18 7134.56,1271.12 7134.56,3.96 7067.48,-63.12 7067.48,-449.75 6984.62,-532.61 6984.62,-644.61 6787.77,-841.46 6775.96,-841.46 LED.4-DIN@6766.46,-831.96
RESET: C14.1 H9.3 Q1.12 S1.3 S1.4 TP6.1 | length 1895.6
  Top Layer w6: Q1.12@1158,3115.37 1167.25,3115.37 1169.37,3117.49 1169.37,3146.26 1203.73,3180.62 1358.68,3180.62 1387.2,3152.11 1387.2,3139.97 1415.71,3111.46 1430.21,3111.46 1447.75,3129 TP6.1@1523,3129 ; S1.4@1328.87,3646.42 1334.87,3652.42 1681.13,3652.42 1688.13,3645.42 1688.13,3555.69 C14.1@1676.45,3544 1676.45,3339.14 1583.68,3246.38 1460.51,3246.38 1457.65,3249.24 1334.48,3249.24 1330.38,3245.14 1330.38,3199.97 1337.72,3192.62 1363.65,3192.62 1387.78,3168.5 1483.5,3168.5 TP6.1@1523,3129 ; H9.3@1631,3116 1624.5,3122.5 1529.5,3122.5 TP6.1@1523,3129
TEMP_LOAD_SW: C28.1 Q5.6 Q6.5 TP27.1 | length 210.7
  Top Layer w6: Q6.5@407.09,3223 437.84,3223 450.84,3210 511.44,3210 575.85,3274.41 Q5.6@585.69,3274.41
USB_D_N: D2.1 J2.A7 J2.B7 | length 341.7
  Top Layer w6: J2.B7@271,1164.69 268.09,1161.78 249.53,1161.78 241.56,1153.8 241.56,1136.2 245.66,1132.1 247.69,1132.1 251.56,1128.22 254.46,1125.32 302.86,1125.32 354.1,1074.08 484.81,1074.08 495.59,1063.3 D2.1@495.59,1057.39
USB_D_P: D2.6 J2.A6 J2.B6 | length 356.2
  Top Layer w6: J2.B6@271,1105.63 273.91,1102.72 300.28,1102.72 v2(315,1088) ; J2.A6@271,1145 287.54,1145 294.31,1138.22 304.1,1138.22 308.88,1133.44 348,1133.44 ; v2(348,1105) 348,1133.44 ; D2.6@495.59,1150.4 424.88,1150.4 407.91,1133.44 348,1133.44
  Bottom Layer w6: v2(315,1088) 317,1090 333,1090 v2(348,1105)
USB_VCC: D2.5 J2.A4_B9 J2.B4_A9 R13.2 TP16.1 | length 892.8
  Top Layer w6: J2.B4_A9@271,1040.67 258.34,1040.67 231.56,1067.46 231.56,1202.86 258.34,1229.65 J2.A4_B9@271,1229.65 ; 505.27,1184.09 D2.5@532.99,1156.36 ; 560.71,1184.09 D2.5@532.99,1156.36 ; D2.5@532.99,1156.36 D2.5@532.99,1150.4 D2.5@532.99,1156.36
  Top Layer w20: J2.A4_B9@271,1229.65 459.71,1229.65 505.27,1184.09 ; 560.71,1184.09 650.63,1274 TP16.1@759,1274 760.74,1275.73 833.12,1275.73 R13.2@834.86,1277.47
VBAT: BT1.1 Q2.18 TP18.1 | length 706.9
  Top Layer w20: TP18.1@360,1514 365.21,1519.21 529.79,1519.21 BT1.1@536,1525.43 625.36,1525.43 714.55,1614.62 v1(788.38,1614.62) ; v1(982.45,1604.96) Q2.18@1021.23,1604.96
  Bottom Layer w20: v1(788.38,1614.62) 972.52,1614.62 982.18,1604.96 v1(982.45,1604.96)
VBAT_OK: Q2.13 R18.1 | length 93
  Top Layer w6: Q2.13@1088,1668.96 1088,1676.05 1089.72,1677.77 1097.68,1685.73 1097.68,1705.19 R18.1@1135,1742.5
VDCDC: C6.1 C9.1 L3.1 L5.2 Q1.40 R4.1 | length 3309.6
  Top Layer w6: 165.38,2880.23 165.38,3284.97 230.87,3350.46 618.04,3350.46 ; 970.03,2693.38 981.13,2704.48 981.13,2753.52 C9.1@1015.06,2787.45
  Top Layer w12.37: Q1.40@974.12,2864.94 974.12,2850.64 977.93,2846.82
  Top Layer w17.67: 623.5,2360.5 639.5,2376.5
  Top Layer w20: 165.38,2880.23 165.38,2798.58 301.22,2662.74 301.22,2499.78 406.94,2394.06 406.94,2376.16 434.17,2348.93 532,2348.93 543.57,2360.5 623.5,2360.5 ; 618.04,3350.46 690.52,3350.46 697.63,3343.35 R4.1@779,3343.35 ; 639.5,2376.5 v1(698.57,2435.57) ; v1(895,2573) 877.08,2590.92 833.38,2590.92 L5.2@827.3,2597 827.3,2634.84 848.36,2655.9 932.55,2655.9 970.03,2693.38 ; 977.93,2846.82 1005.38,2819.38 1005.38,2797.13 1013.06,2789.45 C9.1@1017,2789.45 ; C9.1@1015.06,2787.45 1022.94,2787.45 1032.62,2797.13 1032.62,2800.53 1036.03,2803.94 1036.03,2816.65 v1(1036.22,2816.84) ; L3.1@1426.37,2959 1427.91,2957.46 1427.91,2897.54 C6.1@1429.45,2896 ; C6.1@1428.43,2897.01 1431.05,2894.4 v1(1431.05,2841.44)
  Bottom Layer w17: 1175.35,2848 1198.65,2848
  Bottom Layer w20: v1(698.57,2435.57) 836,2573 v1(895,2573) ; v1(1036.22,2816.84) 1067.38,2848 1175.35,2848 ; 1198.65,2848 1380.55,2848 1387.11,2841.44 v1(1431.05,2841.44)